# Altium PCB LimeSDR-Micro_M.2_2280_1v1.PcbDoc (part 4 of 7) (continued)
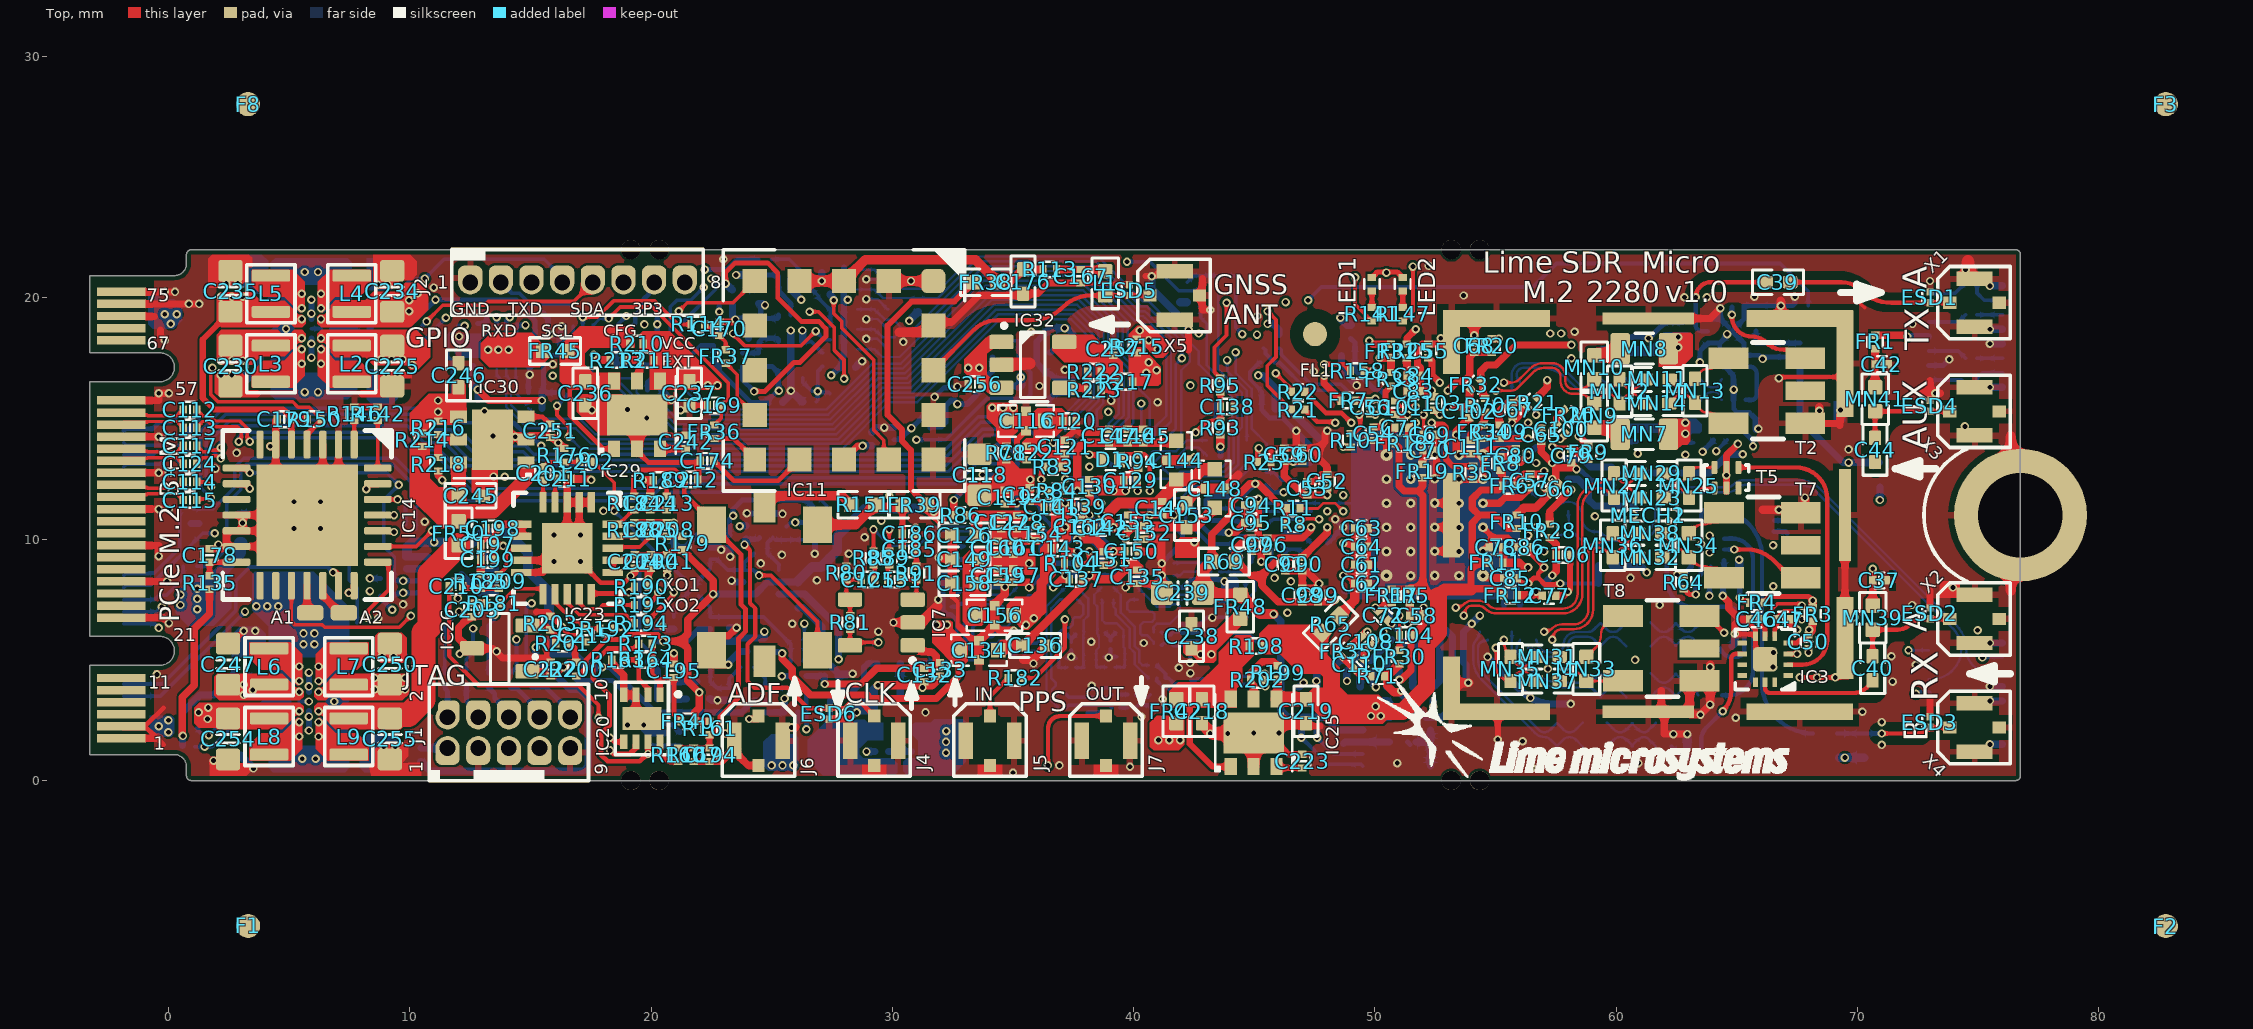
[diagram p0: Top view]
## Nets (pads, with @x,y where several pads share a name; then routed paths per layer and width w, separated by ;. In a path a pad name is that pad's centre, name@x,y a point inside that pad or via, vN(x,y) a via of type N, cw(c..) or ccw(c..) an arc to the next point about the centre after c; other vN are vias at no path point) (continued)
  Bottom w0.15: v1(16.105,15.53) 16.605,16.03 R116.2@16.605,16.075
LA_SPI_MISO: IC8.11 R22.2 | length 40.4
  Top w0.15: v1(45.891,16.875) 46.536,16.23 R22.2@46.536,16.107
  L3 w0.1: v1(45.891,16.875) 45.891,17.85 46.3,18.259 v1(46.3,19.825)
  L6 w0.1: v1(14.15,19.2) 16.675,19.2 17.3,18.575 22.825,18.575 23.375,18.025 27.35,18.025 28.775,19.45 29.111,19.45 30.036,20.375 34.65,20.375 35.5,19.525 36.208,19.525 36.8,18.933 36.8,18.624 37.017,18.407 38.449,18.407 39.674,19.632 41.593,19.632 41.9,19.325 42.725,19.325 42.875,19.175 43.425,19.175 43.675,19.425 44.475,19.425 44.875,19.825 v1(46.3,19.825)
  Bottom w0.2: IC8.11@14,18.6 14,19.05 v1(14.15,19.2)
LA_SPI_MISO_LS: IC6.R8 IC8.2 | length 33.3
  Bottom w0.1: IC8.2@14,17.05 14,16.775 14.2,16.575 14.2,15.567 14.967,14.8 16.958,14.8 17.608,14.15 27.764,14.15 29.689,16.075 30.863,16.075 34.303,19.515 37.575,19.515 38.541,18.549 38.541,17.11 38.541,15.725 38.167,15.351 IC6.R8@38.167,14.5
LA_SPI_MOSI: IC8.12 R21.2 R194.2 | length 71
  Top w0.15: v1(45.55,19.45) 45.9,19.1 45.9,17.55 45.541,17.191 45.541,16.37 R21.2@46.536,15.375
  Top w0.2: R194.2@19.88,6.525 19.88,6.55 19.93,6.6 19.93,6.68 v1@20.95,7.7
  L4 w0.1: v1(42.35,16.375) 42.7,16.725 v1(42.7,18.525)
  L6 w0.1: v1(14.8,18.875) 15.5,18.175 16.175,18.175 16.375,18.375 22.725,18.375 23.275,17.825 27.9,17.825 28.75,18.675 29.075,18.675 29.275,18.875 29.275,19.331 30.119,20.175 34.567,20.175 35.417,19.325 36.125,19.325 36.6,18.85 36.6,18.541 36.934,18.207 38.532,18.207 39.757,19.432 41.511,19.432 41.817,19.125 42.475,19.125 42.7,18.9 ; v1(20.95,7.8) 21.925,7.8 22.2,8.075 22.7,8.075 22.815,7.96 24.81,7.96 25.5,8.65 26.575,8.65 29.125,11.2 30.375,11.2 30.825,11.65 30.825,12.7 33.5,15.375 33.5,15.65 33.85,16 38.45,16 38.625,16.175 39.225,16.175 40.15,15.25 41.225,15.25 v1(42.35,16.375) ; v1(42.7,18.525) 42.7,18.9 ; v1(45.55,19.45) 45.375,19.625 45,19.625 44.6,19.225 43.758,19.225 43.433,18.9 42.7,18.9
  Bottom w0.2: IC8.12@14.4,18.6 14.4,18.825 14.45,18.875 v1(14.8,18.875)
LA_SPI_MOSI_LS: IC6.R9 IC8.1 R123.2 R132.1 | length 33.2
  Bottom w0.1: IC8.1@14.4,17.1 14.4,16.033 R123.2@14.85,15.583 ; R123.2@14.92,15.425 15.345,15 17.041,15 17.691,14.35 27.681,14.35 29.606,16.275 30.78,16.275 34.22,19.715 37.658,19.715 38.75,18.623 38.75,17.2 39.066,16.884 R132.1@39.066,16.605 39.041,16.605 38.941,16.505 38.941,16.48 38.741,16.28 38.741,15.625 38.475,15.359 38.475,14.692 IC6.R9@38.667,14.5
LA_SPI_SCLK: IC8.10 R20.2 R192.2 | length 61.5
  Top w0.3: R192.2@18.45,6.3 18.45,6.325 18.686,6.325 18.736,6.375 v1(18.75,6.375)
  L6 w0.1: v1(13.6,19.2) 14.025,18.775 14.44,18.775 15.325,17.89 ; v1(18.75,6.375) 16.8,6.375 16.475,6.7 15.9,6.7 15.725,6.525 14,6.525 13.825,6.35 13.15,6.35 12.85,6.65 11.883,6.65 11.575,6.958 11.575,7.815 9.89,9.5 9.116,9.5 8.825,9.791 8.825,12.075 9.375,12.625 9.8,12.625 12.45,15.275 12.45,16.285 13.04,16.875 14.54,16.875 15.325,17.66 15.325,17.89 ; v1(45.112,18.48) 45.064,18.528 44.932,18.528 44.635,18.825 43.924,18.825 43.024,17.925 42.25,17.925 41.15,19.025 39.925,19.025 38.7,17.8 36.775,17.8 36.193,18.382 36.193,18.682 35.95,18.925 35.251,18.925 34.401,19.775 30.284,19.775 29.687,19.178 29.687,18.305 29.158,17.775 28.637,17.775 28.287,17.425 23.092,17.425 22.542,17.975 17.3,17.975 17,17.675 16.525,17.675 16.31,17.89 15.325,17.89
  Bottom w0.2: IC8.10@13.6,18.6 v1(13.6,19.2)
LA_SPI_SCLK_LS: IC6.P8 IC8.3 | length 34.2
  Bottom w0.1: IC8.3@13.6,17.05 13.6,16.8 14,16.4 14,15.485 14.885,14.6 16.875,14.6 17.525,13.95 27.847,13.95 29.772,15.875 30.946,15.875 34.386,19.315 37.492,19.315 38.341,18.466 38.341,17.027 38.341,15.808 37.691,15.158 37.691,14.476 IC6.P8@38.167,14
LA_TCK: IC6.N10 R74.1 R92.2 | length 49.2
  L6 w0.1: v2(12.12,15.43) 11.04,14.35 10.817,14.35 8.566,12.099 8.566,9.766 9.033,9.3 9.783,9.3 11.35,7.733 11.35,6.775 11.825,6.3 v1(12.625,6.3) 12.85,6.075 13.925,6.075 14.15,6.3 15.775,6.3 16.025,6.05 18.425,6.05 19.025,5.45 20.635,5.45 21.685,6.5 22.925,6.5 23.4,6.975 25.217,6.975 25.542,7.3 27.325,7.3 28.5,8.475 33.017,8.475 33.675,9.133 33.675,12.133 34.4,12.858 34.4,13.425 34.6,13.625 34.6,13.875 35.021,14.296 35.539,14.296 35.767,14.525 37.925,14.525 38.425,14.025 38.642,14.025 v2(39.167,13.5)
  Bottom w0.15: R74.1@12.35,4.43 12.35,5.025 12.625,5.3 v1(12.625,6.3)
  Bottom w0.2: v2(12.12,15.43) 12.12,15.65 R92.2@12.27,15.8
LA_TDI: IC6.M10 R76.1 | length 33.5
  L6 w0.1: v1(14.425,5.85) 14.675,6.1 15.692,6.1 15.942,5.85 18.342,5.85 19.242,4.95 21.085,4.95 22.435,6.3 23.025,6.3 23.5,6.775 25.3,6.775 25.625,7.1 27.408,7.1 28.583,8.275 33.1,8.275 33.875,9.05 33.875,12.05 34.6,12.775 34.6,13.325 34.842,13.567 34.842,13.817 35.121,14.096 35.621,14.096 35.85,14.325 37.842,14.325 v2(38.667,13.5)
  Bottom w0.15: R76.1@14.15,4.43 14.425,4.705 v1(14.425,5.85) ; v2(38.667,13.5) IC6.M10@39.167,13
LA_TDO: IC6.N12 R75.1 | length 35.8
  L6 w0.1: v1(13.525,6.875) 13.65,7 15.509,7 15.659,7.15 16.591,7.15 16.831,6.91 22.56,6.91 23.025,7.375 25.049,7.375 25.424,7.75 27.134,7.75 28.259,8.875 32.851,8.875 33.275,9.299 33.275,10.683 33.125,10.833 33.125,13.525 34.3,14.7 35.341,14.7 35.566,14.925 38.09,14.925 38.515,14.5 39.167,14.5 v2(40.167,13.5)
  Bottom w0.15: R75.1@13.25,4.43 13.25,6.425 v1@13.525,6.7
LA_TMS: IC6.M12 R73.1 | length 38.1
  L6 w0.1: v1(12.05,7) 12.94,7 13.39,6.55 13.742,6.55 13.917,6.725 15.517,6.725 15.702,6.91 16.548,6.91 16.748,6.71 22.852,6.71 23.317,7.175 25.134,7.175 25.459,7.5 27.242,7.5 28.417,8.675 32.934,8.675 33.475,9.216 33.475,10.766 33.325,10.916 33.325,13.442 34.383,14.5 35.424,14.5 35.649,14.725 38.007,14.725 38.507,14.225 38.901,14.225 39.626,13.5 v2(39.667,13.5)
  Bottom w0.15: R73.1@11.45,4.43 11.45,6.4 v1(12.05,7) ; v2(39.667,13.5) IC6.M12@40.167,13
LA_TRST: C138.1 D1.C IC6.N8 R93.2 R95.2 | length 7.8
  Top w0.2: v1(38.167,13.5) D1.C@38.716,13.5 ; v1(42.575,14.425) 43.04,14.89 R93.2@43.596,14.89 43.596,15.499 R95.2@43.596,16.108
  L4 w0.15: v1(38.167,13.5) 41.65,13.5 v1(42.575,14.425)
LA_TX_I_N: C2.1 C3.1 IC6.B7 R4.1 R5.2 | length 4
  Bottom w0.1: C2.1@37.581,4.7 37.606,4.675 R5.2@37.941,4.675 ; IC6.B7@37.667,8 38.116,7.551 38.116,6.825 37.931,6.64 R4.1@37.931,6.05 37.916,6.035 37.916,4.7 R5.2@37.941,4.675 ; R5.2@37.956,4.675 R5.2@37.941,4.675
LA_TX_I_P: C1.2 C2.2 IC6.A7 R1.2 R2.1 | length 4
  Bottom w0.1: C2.2@37.251,4.7 37.226,4.675 R1.2@36.876,4.675 36.901,4.7 R2.1@36.901,6.05 36.926,6.075 36.926,6.14 37.113,6.327 37.335,6.327 37.48,6.472 37.48,6.69 37.553,6.763 37.771,6.763 37.916,6.908 37.916,7.251 IC6.A7@37.667,7.5
LA_TX_Q_N: C5.1 C6.1 IC6.B9 R18.1 R19.2 | length 4
  Bottom w0.1: IC6.B9@38.667,8 38.367,7.7 38.367,7.349 38.501,7.215 R18.1@38.501,6.125 38.501,6.075 38.526,6.05 38.526,5.985 38.566,5.945 38.566,5.525 38.451,5.41 C6.1@38.451,5.125 38.451,4.7 38.476,4.675 R19.2@38.501,4.675 38.526,4.7 C5.1@38.876,4.7
LA_TX_Q_P: C4.2 C5.2 IC6.A9 R14.2 R16.1 | length 3.9
  Bottom w0.1: IC6.A9@38.667,7.5 38.701,7.466 38.701,6.64 38.816,6.525 39.291,6.525 39.581,6.235 R16.1@39.581,6.125 39.581,5.535 39.631,5.485 C4.2@39.631,5.125 39.631,4.7 39.606,4.675 R14.2@39.581,4.675 39.556,4.7 C5.2@39.206,4.7
LMS_BB_DRV1A_N: C8.1 R27.2 | length 0.3
  Bottom w0.15: R27.2@34.821,5.8 C8.1@35.141,5.8
LMS_BB_DRV1A_P: C12.1 R33.2 | length 0.3
  Bottom w0.15: R33.2@34.821,5.25 C12.1@35.141,5.25
LMS_BB_DRV1AC_N: C9.1 C10.1 R27.1 R28.2 R29.1 | length 2.1
  Bottom w0.15: R28.2@33.541,6.57 33.331,6.36 C10.1@33.331,6.15 33.331,5.83 33.501,5.66 R29.1@33.666,5.66 34.351,5.66 34.458,5.768 34.491,5.768 R27.1@34.491,5.8
LMS_BB_DRV1AC_P: C10.2 C11.2 R32.2 R33.1 R34.2 | length 2.6
  Bottom w0.15: R34.2@33.001,6.57 C10.2@33.001,6.15 33.001,5.89 33.081,5.81 33.081,5.632 33.126,5.587 C11.2@33.126,5.555 33.126,5.522 33.158,5.522 33.341,5.34 R32.2@33.491,5.34 33.901,5.34 33.991,5.25 R33.1@34.491,5.25
LMS_BB_DRV1B_N: C13.1 R36.2 | length 0.3
  Bottom w0.15: R36.2@39.431,3.015 C13.1@39.751,3.015
LMS_BB_DRV1B_P: C17.1 R41.2 | length 0.3
  Bottom w0.15: R41.2@39.431,3.565 C17.1@39.751,3.565
LMS_BB_DRV1BC_N: C14.1 C15.1 R36.1 R37.2 R38.1 | length 2
  Bottom w0.15: R37.2@37.206,3.015 37.316,3.125 37.966,3.125 C14.1@38.141,3.125 R38.1@38.666,3.125 38.991,3.125 39.068,3.047 39.101,3.047 R36.1@39.101,3.015
LMS_BB_DRV1BC_P: C15.2 C16.2 R40.2 R41.1 R42.2 | length 2
  Bottom w0.15: R42.2@37.206,3.565 37.316,3.455 C15.2@37.566,3.455 C16.2@38.141,3.455 R40.2@38.691,3.455 38.991,3.455 39.068,3.532 39.101,3.532 R41.1@39.101,3.565
LMS_BB_DRV2A_N: C18.1 R43.2 | length 0.4
  Bottom w0.15: R43.2@43.256,3.935 43.431,4.11 C18.1@43.576,4.11
LMS_BB_DRV2A_P: C22.1 R48.2 | length 0.4
  Bottom w0.15: R48.2@43.256,3.385 43.431,3.56 C22.1@43.576,3.56
LMS_BB_DRV2AC_N: C19.1 C20.1 R43.1 R44.2 R45.1 | length 2.6
  Bottom w0.15: R44.2@40.956,4.785 40.956,4.753 40.988,4.753 41.32,4.42 41.32,4.24 C20.1@41.341,4.24 41.451,4.24 41.691,4 R45.1@41.791,4 41.991,4 42.166,3.825 C19.1@42.366,3.825 42.816,3.825 42.893,3.902 42.926,3.902 R43.1@42.926,3.935
LMS_BB_DRV2AC_P: C20.2 C21.2 R47.2 R48.1 R49.2 | length 2.4
  Bottom w0.15: R49.2@40.956,4.235 40.956,4.139 41.184,3.91 C20.2@41.341,3.91 41.581,3.67 R47.2@41.791,3.67 41.946,3.67 42.121,3.495 C21.2@42.366,3.495 42.816,3.495 42.893,3.417 42.926,3.417 R48.1@42.926,3.385
LMS_BB_DRV2B_N: C23.1 R50.2 | length 0.3
  Bottom w0.15: R50.2@43.281,5.675 C23.1@43.601,5.675
LMS_BB_DRV2B_P: C27.1 R57.2 | length 0.3
  Bottom w0.15: R57.2@43.281,6.225 C27.1@43.601,6.225
LMS_BB_DRV2BC_N: C24.1 C25.1 R50.1 R51.2 R52.1 | length 2
  Bottom w0.15: R51.2@41.156,5.6 41.266,5.71 C25.1@41.516,5.71 41.636,5.59 R52.1@41.891,5.59 41.923,5.59 42.118,5.785 C24.1@42.403,5.785 42.841,5.785 42.918,5.707 42.951,5.707 R50.1@42.951,5.675
LMS_BB_DRV2BC_P: C25.2 C26.2 R56.2 R57.1 R58.2 | length 2
  Bottom w0.15: R58.2@41.156,6.15 41.266,6.04 C25.2@41.516,6.04 41.548,6.04 41.548,6.072 41.636,6.16 R56.2@41.891,6.16 41.923,6.16 41.968,6.115 C26.2@42.403,6.115 42.841,6.115 42.918,6.192 42.951,6.192 R57.1@42.951,6.225
LMS_CLK: IC1.AM24 IC1.E5 R158.2 | length 23.8
  Top w0.25: R158.2@49.546,16.975 v1(49.921,16.975)
  L3 w0.1: v1@49.946,16.975 v1(49.921,16.975) 49.116,16.975 cw(c49.116,17.35) 48.741,17.35 48.741,17.4 ccw(c48.316,17.4) 48.316,17.825 47.666,17.825 ccw(c47.666,17.3) 47.141,17.3 47.141,16.685 ccw(c47.65,16.685) 47.65,16.175 cw(c47.65,15.147) 48.678,15.147 48.678,14.85 ccw(c49.553,14.85) 48.934,14.231 49.341,13.825 cw(c48.111,12.596) 49.85,12.596 49.85,8.7 ccw(c50.936,8.7) 50.168,7.932 50.175,7.925 cw(c49.749,7.499) 50.351,7.499 v1(50.351,6.167)
  L6 w0.1: v1@49.946,16.975 cw(c49.946,14.633) 51.602,16.289 51.891,16 ccw(c52.296,16.405) 52.296,15.832 53.404,15.832 cw(c53.404,14.613) 54.266,15.475 ccw(c55.031,16.24) 55.031,15.158 v1(56.678,15.158)
LMS_CORE_LDO_EN: IC1.U33 R13.1 R15.2 | length 3.9
  Bottom w0.15: R15.2@43.491,11.275 44.361,11.275 R13.1@44.366,11.27 44.474,11.162 46.859,11.162 46.876,11.179 47.337,11.179 IC1.U33@47.354,11.162
LMS_I2C_SCL: IC1.C27 IC2.6 R26.2 R54.1 | length 63.5
  L4 w0.1: v1(45.841,8.4) 45.849,8.4 46.024,8.575 46.65,8.575 47.025,8.2 47.025,4.6 46.72,4.295 46.72,2.655 v1(47.6,1.775)
  L6 w0.1: v1(8.35,8.375) 8.85,7.875 8.85,7.04 12.065,3.825 16.93,3.825 17.58,3.175 20.617,3.175 21.042,2.75 23.815,2.75 23.94,2.875 24.342,2.875 24.542,2.675 27.75,2.675 28.125,2.3 31.658,2.3 31.883,2.525 32.592,2.525 34.117,1 46.635,1 47.375,1.74 47.565,1.74 v1(47.6,1.775) ; v1(45.841,8.4) 45.841,10.325 47.191,11.675 47.191,12.15 48.016,12.975 48.016,13.875 48.678,14.537 48.678,15.15 v2(49.352,15.824)
  Bottom w0.15: v1(47.6,1.775) 48.275,1.1 IC2.6@49.5,1.1
  Bottom w0.2: v1(8.35,8.375) R26.2@8.795,8.375
  Bottom w0.3: v1(47.6,1.775) R54.1@47.6,2.05
LMS_I2C_SDA: IC1.D26 IC2.5 R30.2 R53.1 | length 60.2
  L4 w0.1: v1(46.516,8.25) 46.825,7.941 46.825,4.683 46.52,4.378 46.52,2.215 v1(46.955,1.78)
  L6 w0.1: v1(9.275,7.075) 12.325,4.025 17.013,4.025 17.663,3.375 20.7,3.375 21.125,2.95 23.733,2.95 23.858,3.075 24.425,3.075 24.625,2.875 27.833,2.875 28.208,2.5 31.575,2.5 31.825,2.75 32.65,2.75 34.2,1.2 46.375,1.2 v1(46.955,1.78) ; v1(46.516,8.25) 46.516,10.317 47.691,11.492 47.691,11.958 49.685,13.953 v2(49.685,15.491)
  Bottom w0.15: v1(46.955,1.78) 48.06,0.675 49.425,0.675 IC2.5@49.5,0.6
  Bottom w0.2: R30.2@8.795,7.65 8.795,7.555 v1(9.275,7.075)
  Bottom w0.3: v1(46.955,1.78) R53.1@46.955,2.065
LMS_MCLK1: IC1.AB34 R7.1 R87.1 | length 1.5
  Bottom w0.15: R7.1@46.166,9.74 46.166,9.691 46.28,9.577 ; R87.1@46.28,9.025 46.28,9.577 ; IC1.AB34@47.021,9.497 46.967,9.497 46.887,9.577 46.28,9.577
LMS_RESET: IC1.E27 IC14.17 R10.1 | length 56.1
  Top w0.15: IC14.17@5.1,8.075 5.1,6.6 5.25,6.45 6.375,6.45 6.475,6.35 9.575,6.35 v1(10.05,6.825)
  Top w0.2: R10.1@48.991,14.38 49.041,14.43 49.171,14.43 49.394,14.653 49.394,15.01 49.381,15.023 49.381,15.129 v1(49.352,15.158)
  L6 w0.1: v1(10.05,6.825) 10.05,6.815 12.615,4.25 17.071,4.25 17.746,3.575 20.95,3.575 21.225,3.3 22.15,3.3 22.525,3.675 23.1,3.675 23.375,3.4 24.65,3.4 24.975,3.075 28.25,3.075 28.575,3.4 34.95,3.4 35.4,3.85 36.116,3.85 36.991,4.725 38.116,4.725 38.841,5.45 39.291,5.45 39.866,6.025 40.966,6.025 41.941,7 41.955,7 41.965,7.01 42.501,7.01 42.541,7.05 ; 42.541,7.05 42.965,7.475 43.116,7.625 43.866,7.625 44.191,7.95 44.841,7.95 44.966,8.075 45.975,8.075 46.191,8.29 46.191,10.275 47.491,11.575 47.491,12.041 49.352,13.903 v1(49.352,15.158)
LMS_RX1_BB_I_N: C8.2 IC1.AB2 R31.1 | length 43.4
  L4 w0.1: v1(57.716,18.525) 57.716,17.383 58.091,17.008 58.091,15.085 58.766,14.41 58.766,13.839 57.966,13.039 57.966,12.366 57.816,12.216 57.816,11.884 58.75,10.95 v1(59.116,10.95)
  L6 w0.1: v2(36.066,5.75) 36.341,6.025 37.6,6.025 38.331,6.756 40.164,6.756 41.383,7.975 ; 41.384,7.975 41.692,8.283 ; 41.692,8.284 42.008,8.6 42.533,8.6 43.091,9.158 43.091,12.508 44.241,13.658 44.241,14.283 46.491,16.533 46.491,17.233 46.691,17.433 47.708,18.45 48.391,18.45 48.486,18.545 ; 48.486,18.546 49.29,19.35 50.48,19.35 51.85,17.98 54.105,17.98 54.466,18.34 54.466,18.575 54.741,18.85 57.416,18.85 v1@57.716,18.55 ; v2(57.677,9.497) 58.28,10.1 58.716,10.1 59.116,10.5 v1(59.116,10.95)
  Bottom w0.15: C8.2@35.471,5.8 35.471,5.768 35.503,5.768 35.581,5.69 R31.1@35.856,5.69 36.006,5.69 v2(36.066,5.75) v2@36.046,5.75
LMS_RX1_BB_I_P: C12.2 IC1.Y6 R31.2 | length 43.3
  L4 w0.1: v1(56.345,10.163) 56.353,10.171 57.012,10.171 57.191,10.35 57.191,10.6 56.691,11.1 56.691,11.374 57.741,12.424 57.741,13.097 58.066,13.422 58.066,14.799 57.891,14.974 57.891,16.925 56.916,17.9 56.916,18.175 v1(57.266,18.525)
  L6 w0.1: v2(36.066,5.275) 36.112,5.275 36.662,5.825 37.683,5.825 38.414,6.556 40.247,6.556 41.466,7.775 ; 41.467,7.775 41.892,8.2 ; 41.892,8.201 42.091,8.4 42.616,8.4 43.291,9.075 43.291,12.425 44.441,13.575 44.441,14.2 46.691,16.45 46.691,17.15 47.791,18.25 48.405,18.25 48.474,18.25 48.686,18.462 ; 48.686,18.463 49.373,19.15 50.397,19.15 51.767,17.78 54.371,17.78 54.666,18.075 54.666,18.492 54.824,18.65 55.403,18.65 55.603,18.45 55.603,18.013 55.716,17.9 56.216,17.9 56.361,18.046 56.361,18.45 56.561,18.65 57.141,18.65 v1(57.266,18.525)
  Bottom w0.15: C12.2@35.471,5.25 35.471,5.283 35.503,5.283 35.581,5.36 R31.2@35.856,5.36 35.981,5.36 v2(36.066,5.275) 36.012,5.275 v2@35.972,5.235
LMS_RX1_BB_Q_N: C13.2 IC1.AA5 R39.1 | length 43.9
  L6 w0.1: v2(40.691,3.025) 40.541,3.175 39.016,3.175 38.786,2.945 38.535,2.945 38.39,2.8 38.177,2.8 38.032,2.945 37.781,2.945 37.026,3.7 36.766,3.7 36.216,3.15 35.791,3.15 35.571,2.93 35.571,2.06 35.701,1.93 35.931,1.93 36.786,2.785 37.246,2.785 38.201,1.83 38.427,1.83 38.572,1.975 38.735,1.975 38.88,1.83 39.106,1.83 39.433,2.157 40.633,2.157 40.776,2.3 41.4,2.3 41.675,2.575 42.816,2.575 42.961,2.72 42.961,3.565 42.856,3.67 42.346,3.67 42.066,3.95 41.366,3.95 41.011,4.305 41.011,4.635 42.381,6.005 43.613,6.005 44.147,6.539 46.439,6.539 46.97,7.07 47.746,7.07 48.166,6.65 48.433,6.65 48.691,6.908 48.691,7.983 49.288,8.58 49.531,8.58 50.056,9.105 50.731,9.105 50.861,9.235 50.861,9.612 50.616,9.857 50.616,10.123 50.867,10.375 51.093,10.375 51.338,10.13 51.651,10.13 52.096,9.685 52.096,9.313 52.329,9.08 52.588,9.08 52.911,9.403 52.911,9.76 53.256,10.105 53.776,10.105 54.096,9.785 54.096,9.305 54.306,9.095 54.596,9.095 54.886,9.385 54.886,9.71 55.033,9.857 55.271,10.095 55.271,10.38 55.941,11.05 56.391,11.05 56.678,10.762 v1(56.678,10.496)
  Bottom w0.11: IC1.AA5@56.678,9.83 v1(56.678,10.496)
  Bottom w0.15: C13.2@40.081,3.015 40.081,3.047 40.113,3.047 40.191,3.125 R39.1@40.441,3.125 40.591,3.125 v2(40.691,3.025)
LMS_RX1_BB_Q_P: C17.2 IC1.AB4 R39.2 | length 43.9
  L6 w0.1: v2(40.691,3.555) 40.682,3.555 40.507,3.38 38.931,3.38 38.701,3.15 37.866,3.15 37.111,3.905 36.681,3.905 36.131,3.355 35.706,3.355 35.366,3.015 35.366,1.975 35.616,1.725 36.016,1.725 36.871,2.58 37.161,2.58 38.116,1.625 39.191,1.625 39.518,1.952 40.718,1.952 40.861,2.095 41.478,2.095 41.758,2.375 42.906,2.375 43.166,2.635 43.166,3.65 42.941,3.875 42.424,3.875 42.149,4.15 41.456,4.15 41.216,4.39 41.216,4.55 42.466,5.8 43.708,5.8 44.247,6.339 46.522,6.339 47.048,6.865 47.651,6.865 48.066,6.45 48.516,6.45 48.891,6.825 48.891,7.9 49.366,8.375 49.616,8.375 50.141,8.9 50.816,8.9 51.066,9.15 51.066,9.65 51.266,9.85 51.641,9.85 51.891,9.6 51.891,9.235 52.251,8.875 52.666,8.875 53.116,9.325 53.116,9.675 53.341,9.9 53.691,9.9 53.891,9.7 53.891,9.22 54.221,8.89 54.681,8.89 55.091,9.3 55.091,9.625 55.304,9.838 56.504,9.838 57.041,10.375 57.291,10.375 57.491,10.175 57.491,9.977 v1(57.011,9.497)
  Bottom w0.15: C17.2@40.081,3.565 40.081,3.532 40.113,3.532 40.191,3.455 R39.2@40.441,3.455 40.591,3.455 v2(40.691,3.555)
LMS_RX2_BB_I_N: C18.2 IC1.AC3 R46.1 | length 25.4
  L6 w0.1: v2(44.916,4.425) 44.766,4.275 44.183,4.275 43.916,4.008 43.916,3.25 44.591,2.575 45.041,2.575 46.966,4.5 51.158,4.5 51.616,4.042 51.616,2.825 52.066,2.375 53.266,2.375 56.266,5.375 56.266,6.392 57.124,7.25 58.166,7.25 58.516,7.6 58.516,8.45 58.002,8.963 58.002,8.966 57.812,9.156 57.81,9.156 57.802,9.164 v2(57.344,9.164)
  Bottom w0.15: C18.2@43.906,4.11 43.906,4.142 44.088,4.325 R46.1@44.416,4.325 44.816,4.325 v2(44.916,4.425)
LMS_RX2_BB_I_P: C22.2 IC1.AD2 R46.2 | length 25.4
  L6 w0.1: v2(44.916,3.895) 44.736,4.075 44.266,4.075 44.116,3.925 44.116,3.333 44.674,2.775 44.958,2.775 46.216,4.033 46.216,4.525 46.391,4.7 51.791,4.7 51.941,4.55 51.941,4.075 51.816,3.95 51.816,3.625 51.941,3.5 51.941,3.275 51.816,3.15 51.816,2.908 52.149,2.575 53.183,2.575 53.533,2.925 56.066,5.458 56.066,6.475 57.003,7.413 57.003,7.888 57.116,8 57.341,8 57.891,7.45 58.083,7.45 58.316,7.683 58.316,8.367 58.118,8.565 57.943,8.565 v2(57.677,8.831)
  Bottom w0.15: C22.2@43.906,3.56 43.906,3.592 43.913,3.592 44.316,3.995 R46.2@44.416,3.995 44.816,3.995 v2(44.916,3.895)
LMS_RX2_BB_Q_N: C23.2 IC1.AB6 R55.1 | length 25.2
  L6 w0.1: v2(44.591,5.76) 44.591,5.966 44.7,6.075 46.041,6.075 46.216,5.9 46.648,5.9 47.348,6.6 47.549,6.6 47.999,6.15 48.858,6.15 49.141,6.433 49.141,7.233 49.453,7.545 49.453,7.845 49.708,8.1 50.074,8.1 50.424,7.75 50.683,7.75 50.891,7.958 50.891,8.683 51.283,9.075 51.724,9.075 52.091,8.708 52.091,8.075 52.091,8.017 51.691,7.617 51.691,7 51.878,6.812 52.122,6.812 52.391,7.081 52.391,7.608 52.83,8.047 52.83,8.615 52.93,8.715 52.93,8.718 53.252,9.04 53.788,9.04 54.08,8.748 54.08,8.324 54.355,8.05 54.774,8.05 55.041,7.783 55.041,6.875 55.216,6.7 55.691,6.7 55.966,6.975 55.966,7.75 55.091,8.625 55.091,8.983 55.605,9.497 v2(56.345,9.497)
  Bottom w0.15: C23.2@43.931,5.675 44.041,5.785 R55.1@44.316,5.785 v2@44.591,5.785
LMS_RX2_BB_Q_P: C27.2 IC1.AC5 R55.2 | length 25.3
  L6 w0.1: v2(45.091,5.75) 45.366,5.75 45.491,5.875 45.958,5.875 46.133,5.7 46.731,5.7 47.306,6.275 47.591,6.275 47.916,5.95 48.941,5.95 49.341,6.35 49.341,7.15 49.653,7.462 49.653,7.762 49.791,7.9 49.991,7.9 50.341,7.55 50.766,7.55 51.091,7.875 51.091,8.6 51.366,8.875 51.641,8.875 51.891,8.625 51.891,8.1 51.491,7.7 51.491,6.917 51.795,6.612 52.205,6.612 52.591,6.998 52.591,7.525 53.041,7.975 53.041,8.542 53.13,8.632 53.13,8.635 53.335,8.84 53.625,8.84 53.88,8.585 53.88,8.241 54.272,7.85 54.691,7.85 54.841,7.7 54.841,6.792 55.133,6.5 55.774,6.5 56.166,6.892 56.166,7.833 55.291,8.708 55.291,8.9 55.555,9.164 v2(56.678,9.164)
  Bottom w0.15: C27.2@43.931,6.225 44.041,6.115 R55.2@44.316,6.115 44.731,6.115 45.091,5.755 v2(45.091,5.75)
LMS_RXEN: IC1.V34 R12.1 | length 1.5
  Bottom w0.15: R12.1@45.621,10.675 45.621,10.7 45.696,10.775 45.73,10.775 45.784,10.829 IC1.V34@47.021,10.829
LMS_TX1_BB_I_N: IC1.R5 R5.1 | length 27.3
  L6 w0.1: v2(37.768,4.332) 37.768,3.91 38.079,3.6 38.433,3.6 38.783,3.95 38.935,3.95 38.94,3.955 39.758,3.955 42.213,6.41 43.445,6.41 43.979,6.944 44.152,6.944 44.333,7.125 44.864,7.125 45.214,7.475 47.533,7.475 48.091,8.033 48.091,8.65 48.546,9.105 49.213,9.105 49.816,9.708 49.816,10.9 50.041,11.125 51.966,11.125 52.116,10.975 52.116,10.308 52.324,10.1 52.633,10.1 52.891,10.358 52.891,10.925 53.066,11.1 53.891,11.1 54.03,10.96 54.03,10.443 54.349,10.125 54.633,10.125 54.866,10.358 54.866,11.1 55.919,12.153 v2(56.353,12.153)
  Bottom w0.2: v2(56.353,12.153) IC1.R5@56.678,11.828
LMS_TX1_BB_I_P: IC1.T4 R1.1 | length 27.3
  L6 w0.1: v2(37.063,4.332) 37.996,3.4 38.516,3.4 38.866,3.75 39.018,3.75 39.023,3.755 39.841,3.755 42.296,6.21 43.528,6.21 44.062,6.744 44.235,6.744 44.416,6.925 44.947,6.925 45.297,7.275 47.616,7.275 47.666,7.325 48.291,7.95 48.291,8.567 48.629,8.905 49.296,8.905 50.016,9.625 50.016,10.521 50.42,10.925 51.558,10.925 51.916,10.567 51.916,10.225 52.241,9.9 52.716,9.9 53.091,10.275 53.091,10.625 53.366,10.9 53.666,10.9 53.83,10.735 53.83,10.36 54.266,9.925 54.716,9.925 55.066,10.275 55.066,10.7 56.194,11.828 56.602,11.828 56.911,11.519 v2@56.988,11.519
  other v2: 57.011,11.495
LMS_TX1_BB_Q_N: IC1.P2 R19.1 | length 27.3
  L6 w0.1: v2(38.688,4.333) 38.695,4.34 38.941,4.34 39.901,5.3 40.537,5.3 42.047,6.81 42.584,6.81 42.741,6.967 43.048,7.275 ; 43.049,7.275 43.149,7.375 43.958,7.375 44.158,7.575 44.749,7.575 45.049,7.875 46.733,7.875 47.091,8.233 47.091,8.45 48.146,9.505 48.985,9.505 49.266,9.786 49.266,11.308 50.058,12.1 53.595,12.1 54.345,12.85 54.566,12.85 55.534,13.818 56.464,13.818 57.003,14.357 57.003,14.611 57.21,14.817 57.479,14.817 58.002,14.294 58.002,13.358 57.677,13.033 v2(57.677,12.161)
LMS_TX1_BB_Q_P: IC1.R3 R14.1 | length 27.3
  L6 w0.1: v2(39.393,4.333) 39.551,4.175 39.695,4.175 39.95,4.43 39.95,4.889 40.136,5.075 40.595,5.075 42.13,6.61 42.666,6.61 42.941,6.884 43.131,7.075 43.231,7.175 44.041,7.175 44.241,7.375 44.831,7.375 45.131,7.675 47.191,7.675 47.291,7.775 47.291,8.367 47.525,8.602 47.744,8.602 47.994,8.851 47.994,9.071 48.229,9.305 49.068,9.305 49.163,9.4 49.466,9.703 49.466,11.225 49.635,11.394 49.86,11.394 49.972,11.506 49.972,11.731 50.141,11.9 50.565,11.9 50.84,11.625 51.116,11.625 51.391,11.9 51.616,11.9 51.891,11.625 52.087,11.625 52.362,11.9 52.575,11.9 52.85,11.625 53.12,11.625 53.395,11.9 53.565,11.9 53.866,11.6 54.095,11.6 54.395,11.9 54.666,11.9 54.941,11.625 55.108,11.625 55.574,12.091 55.574,12.316 55.091,12.8 55.091,13.05 55.591,13.55 55.816,13.55 55.991,13.375 55.991,13.125 56.256,12.86 56.506,12.86 56.686,12.679 56.686,12.026 56.877,11.836 57.336,11.836 v2(57.344,11.828)
LMS_TX2_BB_I_N: IC1.T6 R6.1 X8.3 | length 23.7
  L6 w0.1: v2(56.345,11.495) 56.67,11.17 57.236,11.17 57.766,11.7 58.408,11.7 58.858,12.15 61.099,12.15 61.874,11.375 62.541,11.375 63.141,10.775 v2(66.553,10.775) 66.607,10.775 66.737,10.646 67.912,10.646 70.65,7.908 72.367,7.908 v1(75.175,5.1)
  Bottom w0.1: v1(75.175,5.1) X8.3@76.008,5.1
  Bottom w0.2: v2(66.553,10.775) 67.065,10.775 R6.1@67.1,10.81
LMS_TX2_BB_I_P: IC1.V2 R6.2 X8.2 | length 23.9
  L6 w0.1: v2(57.677,10.829) 57.677,11.329 57.849,11.5 58.091,11.5 58.233,11.358 58.233,10.608 58.366,10.475 58.616,10.475 58.766,10.625 58.766,11.725 58.991,11.95 61.016,11.95 61.791,11.175 62.458,11.175 63.058,10.575 65.991,10.575 66.241,10.325 v2(66.541,10.325) 66.604,10.325 66.724,10.446 67.829,10.446 70.567,7.708 72.284,7.708 73.15,6.842 73.15,6.125 72.425,5.4 v1(72.11,5.4)
  Bottom w0.1: v1(72.11,5.4) X8.2@72.943,5.4
  Bottom w0.2: v2(66.541,10.325) 67.016,10.325 67.025,10.316 67.025,10.3 67.075,10.25 R6.2@67.1,10.25
LMS_TX2_BB_Q_N: IC1.U1 R9.2 X8.6 | length 23.6
  Bottom w0.1: IC1.U1@58.01,11.162 58.01,11 ccw(c59.266,11) R9.2@59.266,9.745 cw(c59.7,9.31) 59.7,9.925 60.741,9.925 ccw(c60.741,11) 61.816,11 61.816,11.15 cw(c62.616,11.15) 62.616,11.95 64.604,11.95 ccw(c64.604,12.537) 65.019,12.122 cw(c65.328,11.813) 65.328,12.25 67.611,12.25 cw(c67.611,11.311) 68.275,11.975 73.946,6.304 cw(c73.093,5.45) 74.3,5.45 cw(c73.05,5.45) 73.05,4.2 X8.6@72.943,4.2
LMS_TX2_BB_Q_P: IC1.U3 R9.1 X8.5 | length 24.6
  Bottom w0.1: IC1.U3@57.344,11.162 57.532,11.35 cw(c58.016,10.866) 58.016,11.55 cw(c58.016,11) 58.566,11 58.566,10.9 ccw(c59.161,10.9) 59.161,10.305 R9.1@59.266,10.305 ccw(c59.7,10.74) 59.7,10.125 60.741,10.125 ccw(c60.741,11) 61.616,11 61.616,11.15 cw(c62.616,11.15) 62.616,12.15 64.564,12.15 ccw(c64.564,12.577) 64.866,12.275 cw(c65.288,11.853) 65.288,12.45 67.614,12.45 cw(c67.614,11.319) 68.414,12.119 74.089,6.444 cw(c73.096,5.451) 74.5,5.451 ccw(c75.451,5.451) 75.451,4.5 X8.5@76.008,4.5
LMS_TXEN: IC1.U29 R11.1 | length 2
  Top w0.11: R11.1@46.896,11.3 R11.1@46.896,11.275 47.641,11.275 47.864,11.498 48.35,11.498 v1(48.686,11.162)
M.2_CLK_IN: J3.P28 R162.1 | length 4.4
  Bottom w0.15: J3.P28@-1.85,8.5 -1.788,8.562 -0.838,8.562 -0.8,8.6 -0.581,8.6 0.479,9.66 R162.1@0.479,11.264
M.2_CLK_OUT: J3.P24 R172.2 | length 3.3
  Bottom w0.15: J3.P24@-1.85,7.5 -0.575,7.5 -0.4,7.675 -0.075,7.675 0.62,8.37 R172.2@0.62,8.875
M.2_LED1#: IC14.20 J3.P10 | length 12.2
  Top w0.3: v1(6.825,8.625) 6.925,8.625 7.05,8.5 IC14.20@7.05,8.075
  Bottom w0.15: J3.P10@-1.85,4 -0.25,4 2.8,7.05 2.8,8.275 3.375,8.85 6.6,8.85 v1(6.825,8.625)
MCP_RESET: C178.1 IC14.14 R135.2 | length 1.7
  Top w0.2: R135.2@1.705,8.485 C178.1@1.705,9.05 IC14.14@2.825,9.05
NetC7_2: C7.2 IC1.C29 R20.1 | length 4.3
  Bottom w0.15: R20.1@45.366,17.92 45.391,17.92 45.466,17.845 45.466,17.692 45.821,17.337 C7.2@45.821,17.325 46.046,17.325 47.196,16.175 48.335,16.175 IC1.C29@48.686,15.824
NetC39_2: C39.2 IC5.2 | length 5.1
  Top w0.18: v1(63.291,20.025) cw(c63.916,20.025) 63.916,20.65 C39.2@66.2,20.65
  Bottom w0.18: v1(63.291,20.025) 63.291,18.875 ccw(c63.541,18.875) 63.541,18.625 IC5.2@63.791,18.625
NetC40_2: C40.2 IC3.13 | length 5
  Top w0.18: IC3.13@66.166,4.072 66.166,3.837 ccw(c66.377,3.837) 66.377,3.625 69.832,3.625 ccw(c69.832,4.393) 70.375,3.85 70.59,4.065 ccw(c70.504,4.15) C40.2@70.625,4.15
NetC41_2: C41.2 IC4.13 | length 12.6
  Bottom w0.18: IC4.13@63.516,10.752 63.516,10.975 cw(c63.791,10.975) 63.791,11.25 64.05,11.25 cw(c64.05,9.26) 66.041,9.26 66.041,4.059 ccw(c68.15,4.059) C41.2@68.15,1.95